# KiCad board paws-60-pcb.kicad_pcb (continued)
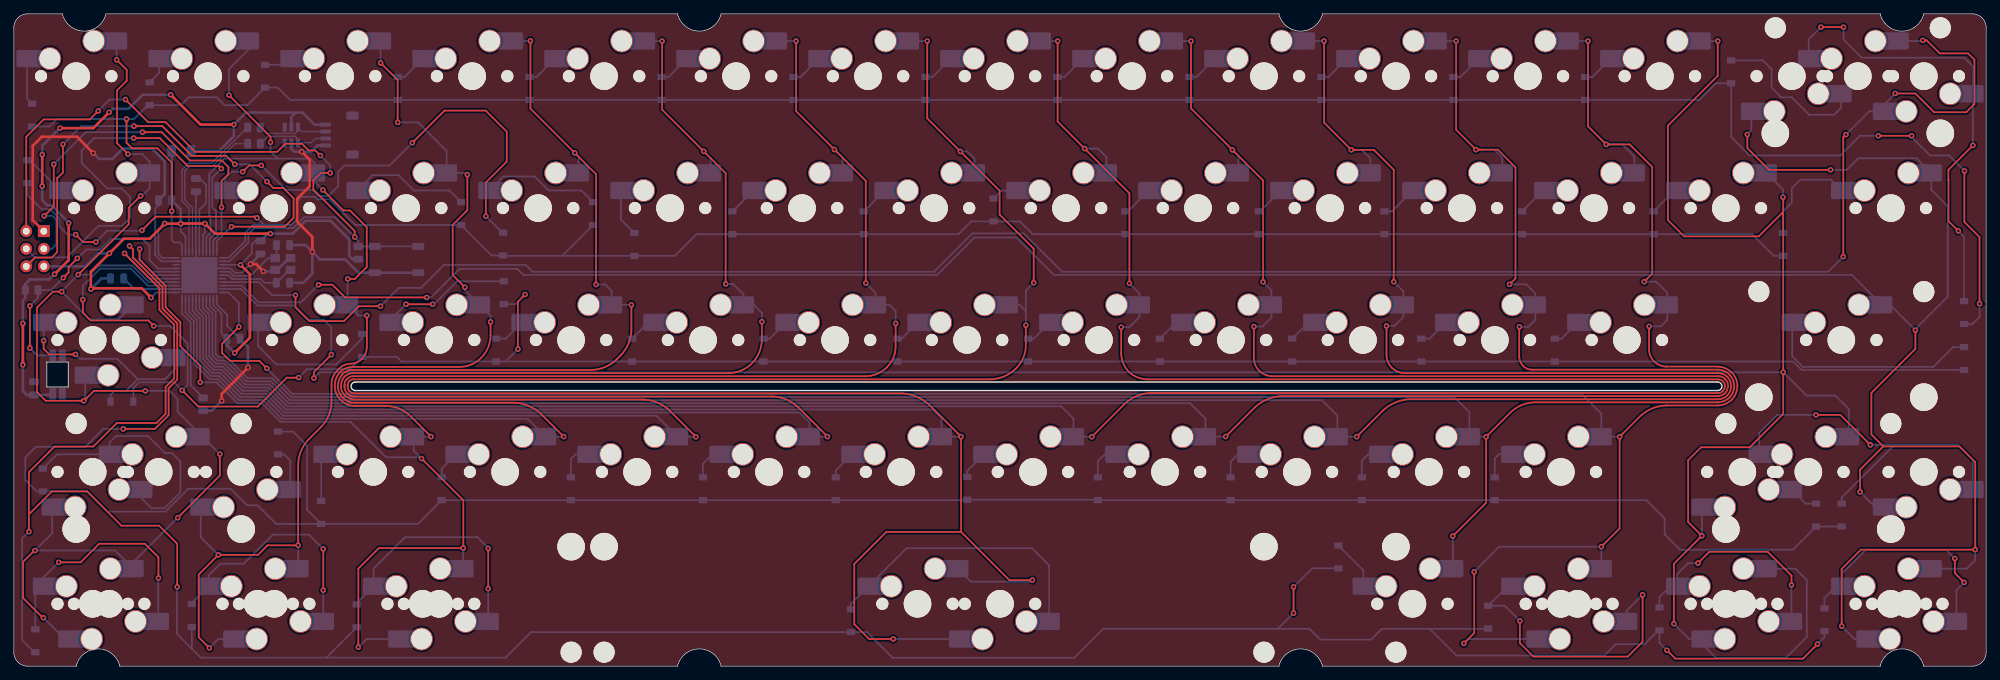
[diagram p0: board, top side]
## Copper pours and planes (outline as drawn; the poured copper is in the pictures) (continued)
COL2 on Bottom: 68.69,50.07 68.94,50.07 68.75,52.04 67.48,52.18 67.09,50.93
COL2 on Bottom: 60.31,33.06 59.23,34.14 57.95,33.13 59.23,32.14
COL2 on Bottom: 65.59,54 65.41,53.82 66.2,51.97 67.48,52.18 67.57,53.43
COL2 on Bottom: 64.97,16.33 64.72,16.33 63.96,15.3 65.1,14.08 65.96,15.33
COL2 on Bottom: 52.82,88.03 53.07,88.03 54.06,89.03 53.19,90.28 52.05,89.06
COL2 on Bottom: 62.59,73.48 62.34,73.48 61.57,72.45 62.72,71.23 63.58,72.48
COL2 on Bottom: 64.99,71.11 64.99,71.36 63.99,72.23 62.71,71.23 63.99,70.23
COL2 on Bottom: 53.02,4.05 53.02,3.8 54.02,2.92 55.3,3.92 54.02,4.92
COL3 on Bottom: 81.64,73.48 81.39,73.48 80.62,72.45 81.77,71.23 82.63,72.48
COL3 on Bottom: 88.8,52.05 88.8,52.3 87.8,53.18 86.53,52.18 87.8,51.18
COL3 on Bottom: 86.21,54.45 86.03,54.28 85.33,53.36 86.53,52.18 87.31,53.43
COL3 on Bottom: 74.52,90.16 74.52,90.41 73.52,91.28 72.24,90.28 73.52,89.28
COL3 on Bottom: 79.28,33.01 79.28,33.26 78.28,34.13 77,33.13 78.28,32.13
COL3 on Bottom: 75.11,34.95 74.94,34.77 75.73,32.92 77,33.13 77.09,34.38
COL4 on Bottom: 93.56,90.16 93.56,90.41 92.56,91.28 91.29,90.28 92.56,89.28
COL4 on Bottom: 94.16,34.95 93.99,34.77 94.78,32.92 96.05,33.13 96.14,34.38
COL4 on Bottom: 104.89,54.3 104.71,54.12 104.32,53.28 105.58,52.18 106.17,53.43
COL4 on Bottom: 98.33,33.01 98.33,33.26 97.33,34.13 96.05,33.13 97.33,32.13
COL4 on Bottom: 100.57,73.53 100.4,73.36 99.63,72.42 100.82,71.23 101.64,72.48
COL4 on Bottom: 107.47,51.35 107.65,51.53 106.85,52.77 105.58,52.18 106.7,50.95
COL5 on Bottom: 119.68,73.56 119.5,73.38 118.71,72.44 119.87,71.23 120.72,72.48
COL5 on Bottom: 112.61,90.16 112.61,90.41 111.61,91.28 110.34,90.28 111.61,89.28
COL5 on Bottom: 126.66,51.72 126.84,51.9 125.9,52.97 124.63,52.18 125.83,51
COL5 on Bottom: 114.85,35.43 114.67,35.25 113.91,34.31 115.1,33.13 115.92,34.38
COL5 on Bottom: 124.1,54.37 123.92,54.19 123.37,53.28 124.63,52.18 125.3,53.43
COL5 on Bottom: 117.38,33.01 117.38,33.26 116.38,34.13 115.1,33.13 116.38,32.13
COL6 on Bottom: 136.43,33.01 136.43,33.26 135.43,34.13 134.15,33.13 135.43,32.13
COL6 on Bottom: 145.64,51.54 145.81,51.72 144.95,52.87 143.68,52.18 144.88,51
COL6 on Bottom: 131.66,90.16 131.66,90.41 130.66,91.28 129.39,90.28 130.66,89.28
COL6 on Bottom: 138.64,73.52 138.46,73.34 137.71,72.41 138.92,71.23 139.72,72.48
COL6 on Bottom: 138.27,12.07 138.27,12.32 137.81,14.17 136.53,14.08 136.33,12.83
COL6 on Bottom: 134.03,35.38 133.78,35.38 133.01,34.35 134.15,33.13 135.02,34.38
COL6 on Bottom: 133.99,4.05 133.99,3.8 134.99,2.92 136.26,3.92 134.99,4.92
COL7 on Bottom: 150.67,90.16 150.67,90.41 149.72,91.28 148.44,90.28 149.72,89.28
COL7 on Bottom: 162.14,54.34 161.96,54.16 161.47,53.28 162.73,52.18 163.37,53.43
COL7 on Bottom: 155.48,33.01 155.48,33.26 154.48,34.13 153.2,33.13 154.48,32.13
COL7 on Bottom: 157.84,73.48 157.59,73.48 156.82,72.45 157.97,71.23 158.83,72.48
COL7 on Bottom: 153.08,35.38 152.83,35.38 152.06,34.35 153.2,33.13 154.07,34.38
COL7 on Bottom: 162.04,50.16 162.22,49.99 163.41,50.93 162.73,52.18 161.47,51.08
COL8 on Bottom: 169.76,90.16 169.76,90.41 168.76,91.28 167.49,90.28 168.76,89.28
COL8 on Bottom: 172.13,35.38 171.88,35.38 171.11,34.35 172.25,33.13 173.12,34.38
COL8 on Bottom: 181.14,50.15 181.31,49.97 182.49,50.93 181.78,52.18 180.52,51.08
COL8 on Bottom: 181.51,54.47 181.33,54.3 180.58,53.36 181.78,52.18 182.59,53.43
COL8 on Bottom: 174.53,33.01 174.53,33.26 173.53,34.13 172.25,33.13 173.53,32.13
COL8 on Bottom: 176.89,73.48 176.64,73.48 175.87,72.45 177.01,71.23 177.88,72.48
COL9 on Bottom: 193.58,33.01 193.58,33.26 192.58,34.13 191.3,33.13 192.58,32.13
COL9 on Bottom: 200.45,54.43 200.27,54.25 199.63,53.36 200.83,52.18 201.58,53.43
COL9 on Bottom: 188.81,90.16 188.81,90.41 187.81,91.28 186.54,90.28 187.81,89.28
COL9 on Bottom: 191.18,35.38 190.93,35.38 190.16,34.35 191.3,33.13 192.17,34.38
COL9 on Bottom: 195.8,73.52 195.62,73.35 194.86,72.41 196.07,71.23 196.88,72.48
COL9 on Bottom: 200.12,50.17 200.3,49.99 201.5,50.93 200.83,52.18 199.57,51.08
COL10 on Bottom: 210.23,35.38 209.98,35.38 209.21,34.35 210.35,33.13 211.22,34.38
COL10 on Bottom: 207.87,90.16 207.87,90.41 206.87,91.28 205.59,90.28 206.87,89.28
COL10 on Bottom: 219.29,54.34 219.11,54.16 218.62,53.28 219.88,52.18 220.52,53.43
COL10 on Bottom: 212.52,33.01 212.52,33.26 211.63,34.13 210.35,33.13 211.63,32.13
COL10 on Bottom: 219.48,50.04 219.66,49.87 220.71,50.93 219.88,52.18 218.7,50.98
COL10 on Bottom: 207.85,16.33 207.6,16.33 206.83,15.3 207.97,14.08 208.84,15.33
COL10 on Bottom: 214.91,73.55 214.74,73.37 213.95,72.43 215.12,71.23 215.96,72.48
COL11 on Bottom: 229.28,16.33 229.03,16.33 228.26,15.3 229.4,14.08 230.27,15.33
COL11 on Bottom: 229.28,35.38 229.03,35.38 228.26,34.35 229.4,33.13 230.27,34.38
COL11 on Bottom: 217.33,4.05 217.33,3.8 218.33,2.92 219.6,3.92 218.33,4.92
COL11 on Bottom: 238.55,50.04 238.72,49.86 239.77,50.93 238.93,52.18 237.76,50.98
COL11 on Bottom: 238.4,54.37 238.22,54.19 237.67,53.28 238.93,52.18 239.6,53.43
COL11 on Bottom: 226.91,90.16 226.91,90.41 225.91,91.28 224.64,90.28 225.91,89.28
COL11 on Bottom: 231.68,33.01 231.68,33.26 230.68,34.13 229.4,33.13 230.68,32.13
COL11 on Bottom: 234.04,73.48 233.79,73.48 233.02,72.45 234.16,71.23 235.03,72.48
COL12 on Bottom: 241.43,4.49 241.25,4.31 242.14,3.19 243.42,3.92 242.21,5.1
COL12 on Bottom: 243.54,20.72 243.79,20.72 244.56,21.75 243.42,22.97 242.55,21.72
COL12 on Bottom: 254.84,69.18 255.01,69.36 254.49,71.29 253.21,71.23 252.98,69.98
COL12 on Bottom: 265,35.38 264.75,35.38 263.98,34.35 265.12,33.13 265.99,34.38
COL12 on Bottom: 244.83,1.87 245.01,2.05 244.69,3.9 243.42,3.92 243.11,2.67
COL12 on Bottom: 255.49,13.95 255.49,14.2 254.49,15.08 253.21,14.08 254.49,13.08
COL12 on Bottom: 245.95,90.16 245.95,90.41 244.97,91.28 243.69,90.28 244.97,89.28
COL13 on Bottom: 265.26,4.54 265.09,4.36 265.95,3.22 267.23,3.92 266.03,5.1
COL13 on Bottom: 267.99,54 267.82,53.82 268.61,51.97 269.88,52.18 269.97,53.43
COL13 on Bottom: 250.68,77.87 250.93,77.87 251.7,78.9 250.56,80.12 249.69,78.87
COL13 on Bottom: 275.14,73.05 274.96,72.87 275.75,71.02 277.03,71.23 277.12,72.48
COL13 on Bottom: 267.72,24.13 267.54,23.95 268.33,22.52 269.61,22.97 268.58,24.22
COL13 on Bottom: 271.78,51.06 271.95,51.24 271.16,52.64 269.88,52.18 270.91,50.93
COL13 on Bottom: 276.65,68.98 276.9,68.98 277.9,69.98 277.03,71.23 275.89,70.01
COL13 on Bottom: 279.3,13.95 279.3,14.2 278.3,15.08 277.03,14.08 278.3,13.08
COL14 on Bottom: 267.39,79.87 267.56,79.7 268.41,78.94 269.61,80.12 268.33,80.93
COL14 on Bottom: 274.54,90.16 274.54,90.41 273.54,91.28 272.26,90.28 273.54,89.28
COL14 on Bottom: 271.03,81.99 270.85,82.17 269.25,81.37 269.61,80.12 270.88,80.22
D+ on Bottom: 36.51,76.23 36.37,76.37 35.56,76.15 35.57,75.45 36.08,75.24
D- on Bottom: 36.37,76.88 36.51,77.02 36.08,78.01 35.57,77.79 35.56,77.09
MISO on Top: 2.89,59.02 2.74,58.88 2.61,58.79 2.48,58.73 2.36,58.69 2.23,58.66 2.11,58.65 1.98,58.64 1.83,58.62 1.68,58.59 1.51,58.54 1.48,57.43 2.59,57.46 2.64,57.63 2.67,57.78 2.69,57.93 2.7,58.06 2.71,58.18 2.74,58.31 2.78,58.43 2.84,58.56 2.93,58.69 3.07,58.84
MOSI on Bottom: 5.78,60.75 5.66,60.66 5.55,60.61 5.45,60.6 5.35,60.62 5.25,60.67 5.15,60.73 4.94,60.89 4.82,60.97 4.7,61.04 3.9,60.27 4.93,59.67 5.05,59.79 5.15,59.88 5.24,59.96 5.33,60.04 5.51,60.17 5.6,60.25 5.7,60.34 5.82,60.44 5.95,60.57
ROW4 on Bottom: 2.26,2.87 2.09,2.69 2.49,1.92 3.1,2.01 3.26,2.46
ROW4 on Bottom: 236.54,4.5 236.71,4.32 237.71,4.73 237.54,5.18 236.94,5.26
RST on Top: 1.66,64.5 1.65,64.3 1.62,64.14 1.57,64.01 1.52,63.89 1.45,63.79 1.37,63.69 1.28,63.59 1.19,63.48 1.11,63.34 1.02,63.18 1.78,62.39 2.55,63.18 2.46,63.34 2.37,63.48 2.29,63.59 2.2,63.69 2.12,63.79 2.05,63.89 1.99,64.01 1.95,64.14 1.92,64.3 1.91,64.5
RST on Bottom: 49.68,61.66 49.51,61.48 49.14,61.07 49.71,60.59 50.17,61.1
RST on Bottom: 50.74,60.74 50.74,60.49 51.24,60.12 52.09,60.62 51.24,61.12
RST on Bottom: 57.04,60.74 57.04,60.49 57.54,60.12 58.39,60.62 57.54,61.12
RST on Bottom: 50.92,60.49 50.92,60.74 50.26,61.09 49.71,60.59 50.26,60.1
RST on Bottom: 53.44,60.49 53.44,60.74 52.94,61.12 52.09,60.62 52.94,60.12
SCK on Bottom: 3.07,59.17 2.93,59.32 2.84,59.45 2.78,59.58 2.74,59.7 2.71,59.83 2.7,59.95 2.69,60.08 2.67,60.22 2.64,60.38 2.59,60.55 1.48,60.57 1.51,59.47 1.68,59.42 1.83,59.39 1.98,59.37 2.11,59.36 2.23,59.35 2.36,59.32 2.48,59.28 2.61,59.22 2.74,59.12 2.89,58.99
SK6812 on Bottom: 4.51,54.2 4.51,54.45 3.98,54.83 3.48,54.32 3.98,53.81
SK6812 on Bottom: 3.33,53.23 3.51,53.05 3.97,53.76 3.48,54.32 2.99,53.78
SK6812 on Bottom: 4.6,45 4.6,44.75 5.1,44.37 5.6,44.87 5.1,45.37
XTAL1 on Bottom: 38.83,56.12 38.66,56.29 37.92,56.09 37.89,55.36 38.39,55.16
XTAL1 on Bottom: 36.89,55.49 36.89,55.24 37.4,54.87 37.89,55.37 37.4,55.87
XTAL1 on Bottom: 38.71,56.35 38.89,56.17 40.15,56.63 39.93,57.23 39.23,57.42
XTAL2 on Bottom: 36.42,58.82 36.6,58.64 37.03,58.33 37.73,58.93 37.03,59.42
XTAL2 on Bottom: 38.05,60.13 37.8,60.13 37.22,59.53 37.73,58.92 38.43,59.53
XTAL2 on Bottom: 37.8,59.58 38.05,59.58 38.39,60.23 37.91,60.8 37.43,60.23
Net-(D1-A) on Bottom: 1.79,85.49 2.04,85.49 2.8,86.53 1.64,87.74 0.79,86.49
Net-(D2-A) on Bottom: 20.76,85.63 20.93,85.45 21.78,86.5 20.69,87.74 19.78,86.49
Net-(D3-A) on Bottom: 37.47,86.98 37.47,86.73 38.72,86.49 39.74,87.74 38.47,88.32
Net-(D4-A) on Bottom: 57.02,85.87 57.2,85.69 59.03,86.49 58.79,87.74 57.52,87.79
Net-(D5-A) on Bottom: 76.07,85.87 76.25,85.69 78.08,86.49 77.84,87.74 76.56,87.79
Net-(D6-A) on Bottom: 95.12,85.87 95.3,85.69 97.13,86.49 96.89,87.74 95.61,87.79
Net-(D7-A) on Bottom: 114.17,85.87 114.35,85.69 116.18,86.49 115.94,87.74 114.67,87.79
Net-(D8-A) on Bottom: 133.22,85.87 133.4,85.69 135.23,86.49 134.99,87.74 133.72,87.79
Net-(D9-A) on Bottom: 152.27,85.87 152.45,85.69 154.28,86.49 154.04,87.74 152.76,87.79
Net-(D10-A) on Bottom: 171.32,85.87 171.5,85.69 173.33,86.49 173.09,87.74 171.81,87.79
Net-(D11-A) on Bottom: 190.37,85.87 190.55,85.69 192.38,86.49 192.14,87.74 190.87,87.79
Net-(D12-A) on Bottom: 209.42,85.87 209.6,85.69 211.43,86.49 211.19,87.74 209.91,87.79
Net-(D13-A) on Bottom: 227.96,85.01 227.78,85.18 227.43,85.53 226.83,85.08 227.43,84.64
Net-(D13-A) on Bottom: 228.47,85.87 228.65,85.69 230.48,86.49 230.24,87.74 228.97,87.79
Net-(D14-A) on Bottom: 263.51,80.55 263.69,80.38 264.79,81.41 264.01,82.66 262.81,81.48
Net-(D15-A) on Bottom: 282.91,84.91 282.66,84.91 281.9,83.87 283.06,82.66 283.91,83.91
Net-(D15-A) on Bottom: 282.66,80.41 282.91,80.41 283.91,81.41 283.06,82.66 281.9,81.45
Net-(D15-A) on Bottom: 259.21,89.99 258.96,89.99 257.96,88.99 258.81,87.74 259.97,88.95
Net-(D16-A) on Bottom: 4.81,70.74 4.63,70.56 5.13,68.64 6.4,68.69 6.65,69.94
Net-(D17-A) on Bottom: 69.82,63.46 69.64,63.29 70.01,62.53 70.62,62.6 70.78,63.06
Net-(D17-A) on Bottom: 30.95,70.7 30.77,70.87 29.55,69.94 30.21,68.69 31.47,69.79
Net-(D18-A) on Bottom: 51.34,70.31 51.16,70.49 49.18,69.94 49.26,68.69 50.54,68.47
Net-(D19-A) on Bottom: 70.39,70.29 70.21,70.47 68.24,69.94 68.31,68.69 69.59,68.46
Net-(D20-A) on Bottom: 87.52,66.44 87.77,66.44 88.52,67.48 87.36,68.69 86.51,67.44
Net-(D21-A) on Bottom: 104.69,66.82 104.87,66.64 106.67,67.44 106.42,68.69 105.14,68.72
Net-(D22-A) on Bottom: 123.69,66.82 123.87,66.64 125.71,67.44 125.47,68.69 124.19,68.74
Net-(D23-A) on Bottom: 142.25,68.54 142.43,68.36 143.29,67.55 144.52,68.69 143.24,69.56
Net-(D24-A) on Bottom: 161.79,66.82 161.97,66.64 163.81,67.44 163.57,68.69 162.29,68.74
Net-(D25-A) on Bottom: 180.71,66.34 180.54,66.51 179.55,66.13 179.7,65.68 180.31,65.59
Net-(D25-A) on Bottom: 180.84,66.82 181.02,66.64 182.86,67.44 182.62,68.69 181.34,68.74
Net-(D26-A) on Bottom: 199.89,66.82 200.07,66.64 201.91,67.44 201.67,68.69 200.39,68.74
Net-(D27-A) on Bottom: 218.74,66.88 218.91,66.71 220.88,67.44 220.72,68.69 219.44,68.83
Net-(D28-A) on Bottom: 237.75,66.91 237.93,66.74 239.91,67.44 239.77,68.69 238.49,68.85
Net-(D29-A) on Bottom: 261.73,70.37 261.73,70.12 262.3,68.46 263.58,68.69 263.65,69.94
Net-(D30-A) on Bottom: 4.18,47.39 4.43,47.39 5.18,48.43 4.02,49.64 3.17,48.39
Net-(D30-A) on Bottom: 22.74,42.56 22.92,42.39 24.15,43.31 23.5,44.56 22.25,43.46
Net-(D31-A) on Bottom: 35.13,47.39 35.38,47.39 36.13,48.43 34.98,49.64 34.12,48.39
Net-(D32-A) on Bottom: 55.99,51.46 55.81,51.64 53.85,50.89 54.03,49.64 55.3,49.51
Net-(D33-A) on Bottom: 71.31,47.77 71.48,47.59 73.32,48.39 73.08,49.64 71.8,49.69
Net-(D34-A) on Bottom: 90.06,48.3 90.23,48.12 92.1,48.39 92.13,49.64 90.85,49.95
Net-(D35-A) on Bottom: 109.41,47.77 109.58,47.59 111.42,48.39 111.18,49.64 109.9,49.69
Net-(D36-A) on Bottom: 128.46,47.77 128.63,47.59 130.47,48.39 130.23,49.64 128.95,49.69
Net-(D37-A) on Bottom: 147.51,47.77 147.68,47.59 149.52,48.39 149.28,49.64 148,49.69
Net-(D38-A) on Bottom: 166.26,48.31 166.43,48.13 168.3,48.39 168.33,49.64 167.05,49.96
Net-(D39-A) on Bottom: 185.31,48.24 185.48,48.07 187.38,48.39 187.38,49.64 186.1,49.93
Net-(D40-A) on Bottom: 204.66,47.77 204.83,47.59 206.67,48.39 206.43,49.64 205.15,49.69
Net-(D41-A) on Bottom: 223.71,47.77 223.88,47.59 225.72,48.39 225.48,49.64 224.2,49.69
Net-(D42-A) on Bottom: 256.58,47.39 256.83,47.39 257.59,48.43 256.43,49.64 255.58,48.39
Net-(D43-A) on Bottom: 14.29,32.59 14.12,32.77 12.89,31.84 13.55,30.59 14.8,31.69
Net-(D43-A) on Bottom: 11.27,30.72 11.27,30.47 12.27,29.59 13.55,30.59 12.27,31.59
Net-(D43-A) on Bottom: 19.05,23.45 19.22,23.62 19.94,24.33 18.74,25.51 17.97,24.26
Net-(D44-A) on Bottom: 40.02,27.76 39.77,27.76 39.02,26.72 40.17,25.51 41.03,26.76
Net-(D45-A) on Bottom: 44.24,28.34 44.49,28.34 45.43,29.34 44.5,30.59 43.42,29.35
Net-(D46-A) on Bottom: 61.78,28.72 61.96,28.54 63.8,29.34 63.55,30.59 62.28,30.64
Net-(D47-A) on Bottom: 80.46,30.14 80.64,29.96 81.4,29.41 82.6,30.59 81.33,31.29
Net-(D48-A) on Bottom: 99.58,29.53 99.76,29.35 100.63,29.34 101.65,30.59 100.38,31.01
Net-(D49-A) on Bottom: 118.93,28.72 119.11,28.54 120.95,29.34 120.7,30.59 119.43,30.64
Net-(D50-A) on Bottom: 137.98,28.72 138.16,28.54 140,29.34 139.75,30.59 138.48,30.64
Net-(D51-A) on Bottom: 156.71,30.02 156.89,29.84 157.68,29.36 158.8,30.59 157.53,31.22
Net-(D52-A) on Bottom: 175.78,29.83 175.96,29.65 176.73,29.36 177.85,30.59 176.58,31.13
Net-(D53-A) on Bottom: 194.8,30.06 194.97,29.88 195.78,29.36 196.9,30.59 195.63,31.24
Net-(D54-A) on Bottom: 213.79,30.2 213.97,30.02 214.75,29.41 215.95,30.59 214.68,31.32
Net-(D55-A) on Bottom: 258.46,23.46 258.64,23.64 258.14,25.56 256.87,25.51 256.62,24.26
Net-(D56-A) on Bottom: 282.91,27.76 282.66,27.76 281.9,26.72 283.06,25.51 283.91,26.76
Net-(D56-A) on Bottom: 252.07,32.84 251.82,32.84 250.82,31.84 251.67,30.59 252.83,31.8
Net-(D57-A) on Bottom: 20.97,8.71 20.72,8.71 19.97,7.67 21.12,6.46 21.98,7.71
Net-(D57-A) on Bottom: 5.07,13.42 4.89,13.59 3.52,12.79 4.02,11.54 5.28,12.64
Net-(D58-A) on Bottom: 26.06,9.67 26.24,9.49 28.08,10.29 27.83,11.54 26.56,11.59
Net-(D58-A) on Bottom: 44.78,8.71 44.53,8.71 43.78,7.67 44.94,6.46 45.79,7.71
Net-(D58-A) on Bottom: 28.7,13.49 28.52,13.67 27.24,12.79 27.83,11.54 29.09,12.64
Net-(D59-A) on Bottom: 49.88,9.67 50.05,9.49 51.89,10.29 51.65,11.54 50.37,11.59
Net-(D59-A) on Bottom: 68.6,8.71 68.35,8.71 67.59,7.67 68.75,6.46 69.6,7.71
Net-(D59-A) on Bottom: 52.05,13.79 51.8,13.79 50.79,12.79 51.65,11.54 52.8,12.75
Net-(D60-A) on Bottom: 125.15,13.16 124.98,13.34 123,12.79 123.08,11.54 124.36,11.32
Net-(D60-A) on Bottom: 149.56,8.71 149.31,8.71 148.55,7.67 149.71,6.46 150.56,7.71
Net-(D60-A) on Bottom: 121.31,9.67 121.49,9.49 123.33,10.29 123.08,11.54 121.81,11.59
Net-(D61-A) on Bottom: 194.92,13.79 194.67,13.79 193.67,12.79 194.52,11.54 195.68,12.75
Net-(D62-A) on Bottom: 233.38,8.41 233.2,8.59 232.19,7.71 233.05,6.46 234.2,7.67
Net-(D62-A) on Bottom: 213.88,9.98 214.06,9.8 216.01,10.29 215.95,11.54 214.68,11.78
Net-(D63-A) on Bottom: 240.52,13.54 240.35,13.71 239.12,12.79 239.76,11.54 241.02,12.64
Net-(D63-A) on Bottom: 237.69,10.3 237.87,10.12 239.7,10.29 239.77,11.54 238.49,11.89
Net-(D63-A) on Bottom: 256.72,8.71 256.47,8.71 255.71,7.67 256.87,6.46 257.72,7.71
Net-(D64-A) on Bottom: 261.51,10.18 261.68,10 263.56,10.29 263.58,11.54 262.3,11.85
Net-(D64-A) on Bottom: 280.53,8.71 280.28,8.71 279.52,7.67 280.68,6.46 281.53,7.71
Net-(D64-A) on Bottom: 264.25,13.57 264.07,13.75 262.88,12.79 263.58,11.54 264.83,12.64
Net-(U2-~{HWB}/PE2) on Bottom: 26.56,39.7 26.38,39.53 26.62,38.73 27.32,38.75 27.53,39.26

Small or netless copper shapes (teardrops, artwork), in the pictures only: 216 on Top, 364 on Bottom

## Text on the board
F.Mask: Paws60 (Rev 2) / Made by HorrorTroll
